# Altium PCB gateway.PcbDoc (part 1 of 4)
Units mm, origin at the board's own origin, x right, y up, seen from the top; angles counter-clockwise.
Board outline 85 x 87.5 mm, 4 copper layers (L1, L2/PWR, L3/GND, L4), stack 1.58 mm thick; 275 components, 211 nets, 1349 pads, 793 vias.
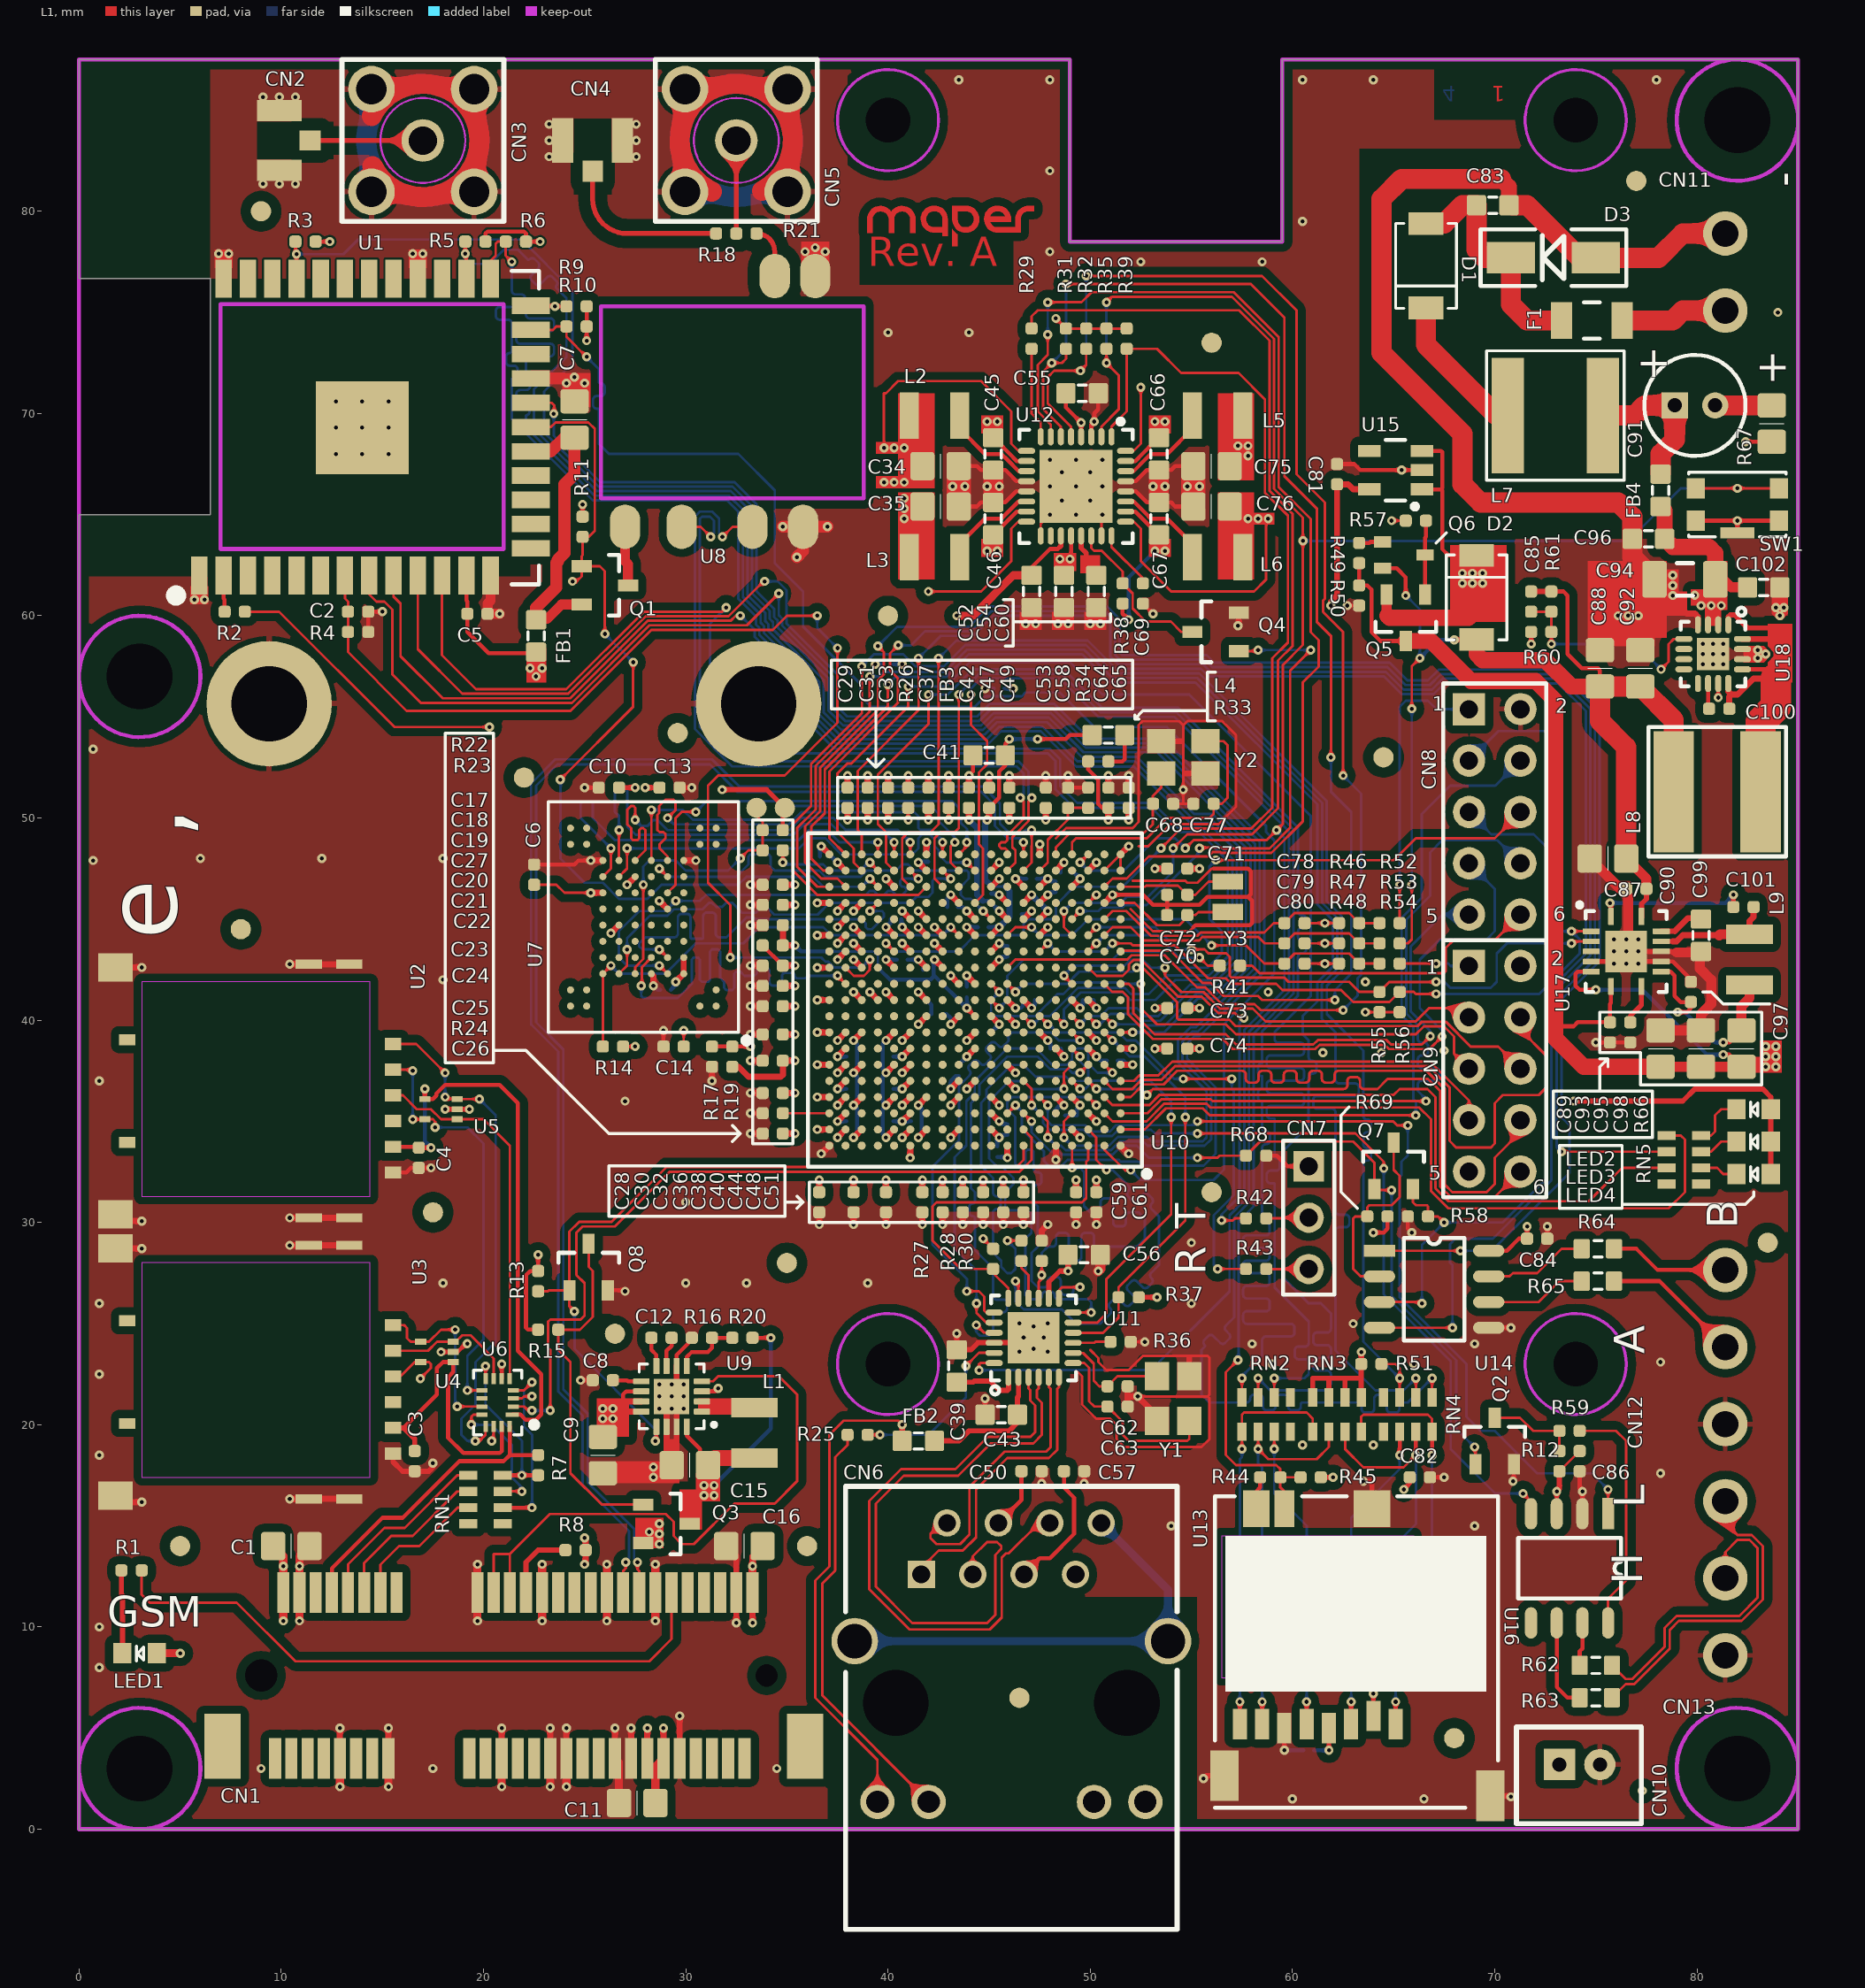
[diagram p0: L1 view]
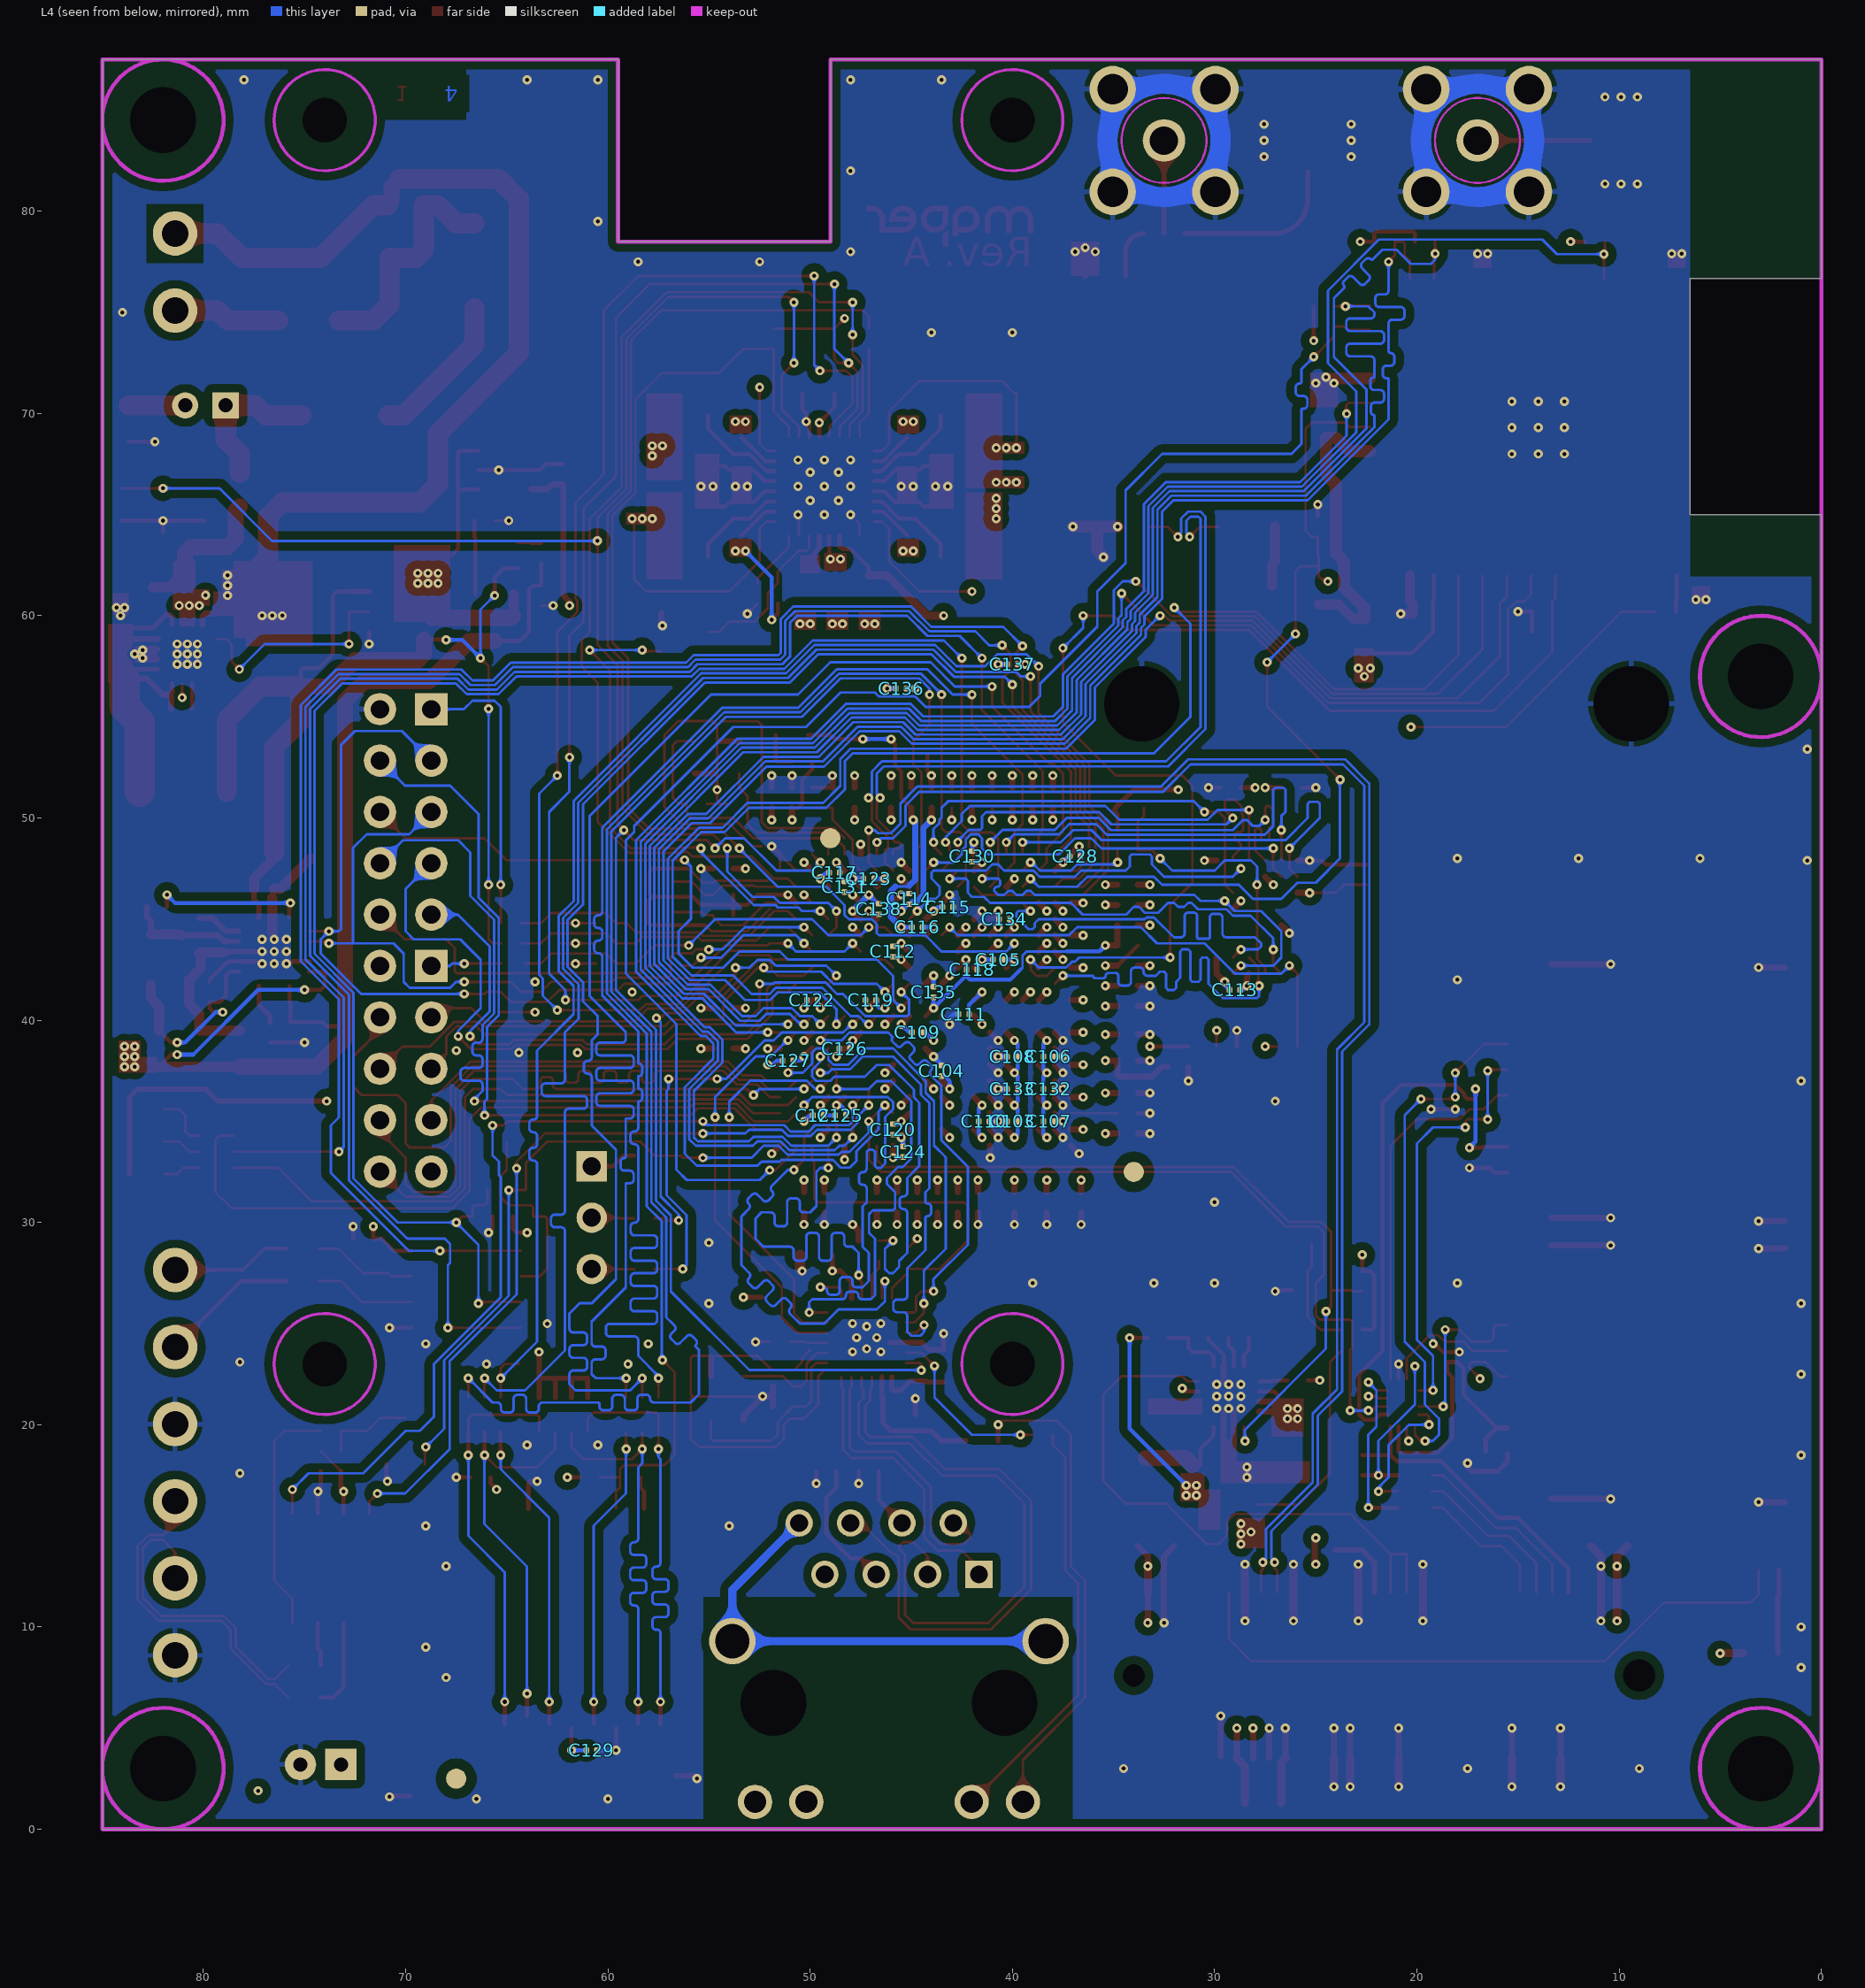
[diagram p1: L4 view, seen from below]
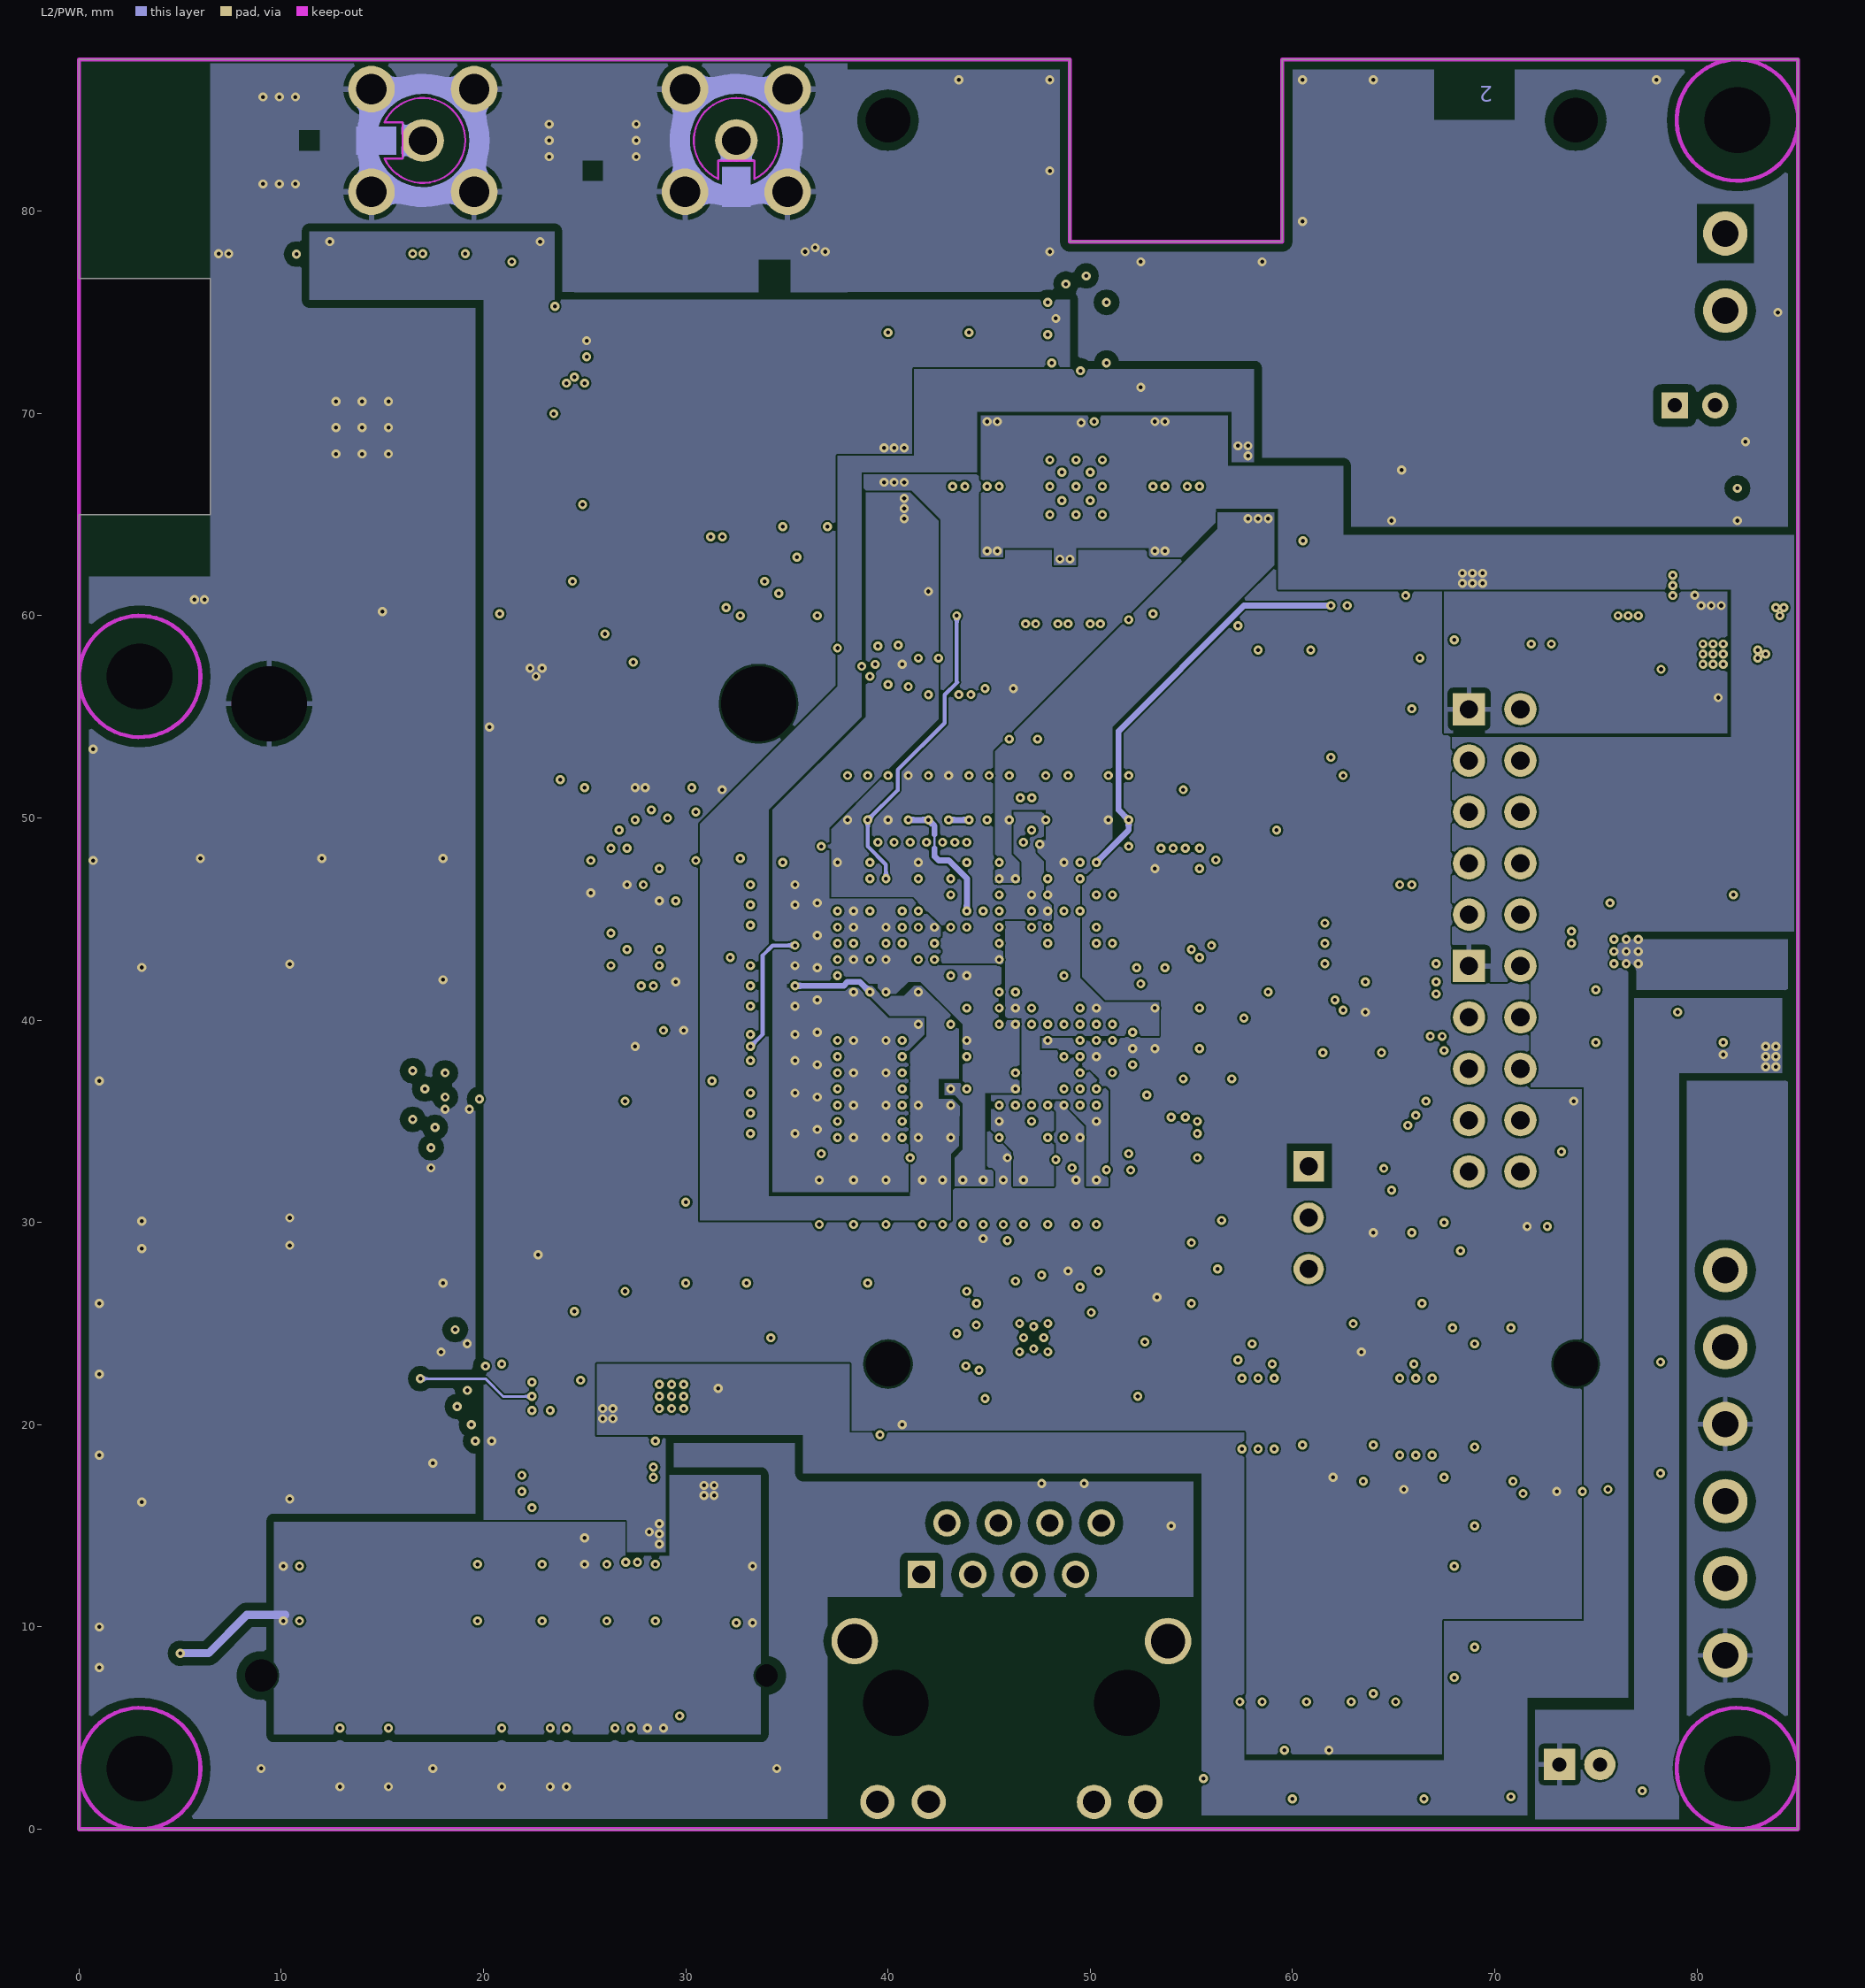
[diagram p2: L2/PWR]